# Altium PCB pcb.PcbDoc
Units mm, origin at the board's own origin, x right, y up, seen from the top; angles counter-clockwise.
Board outline 100 x 60 mm, 2 copper layers (Top Layer, Bottom Layer), stack 1.58 mm thick; 56 components, 29 nets, 168 pads, 122 vias.
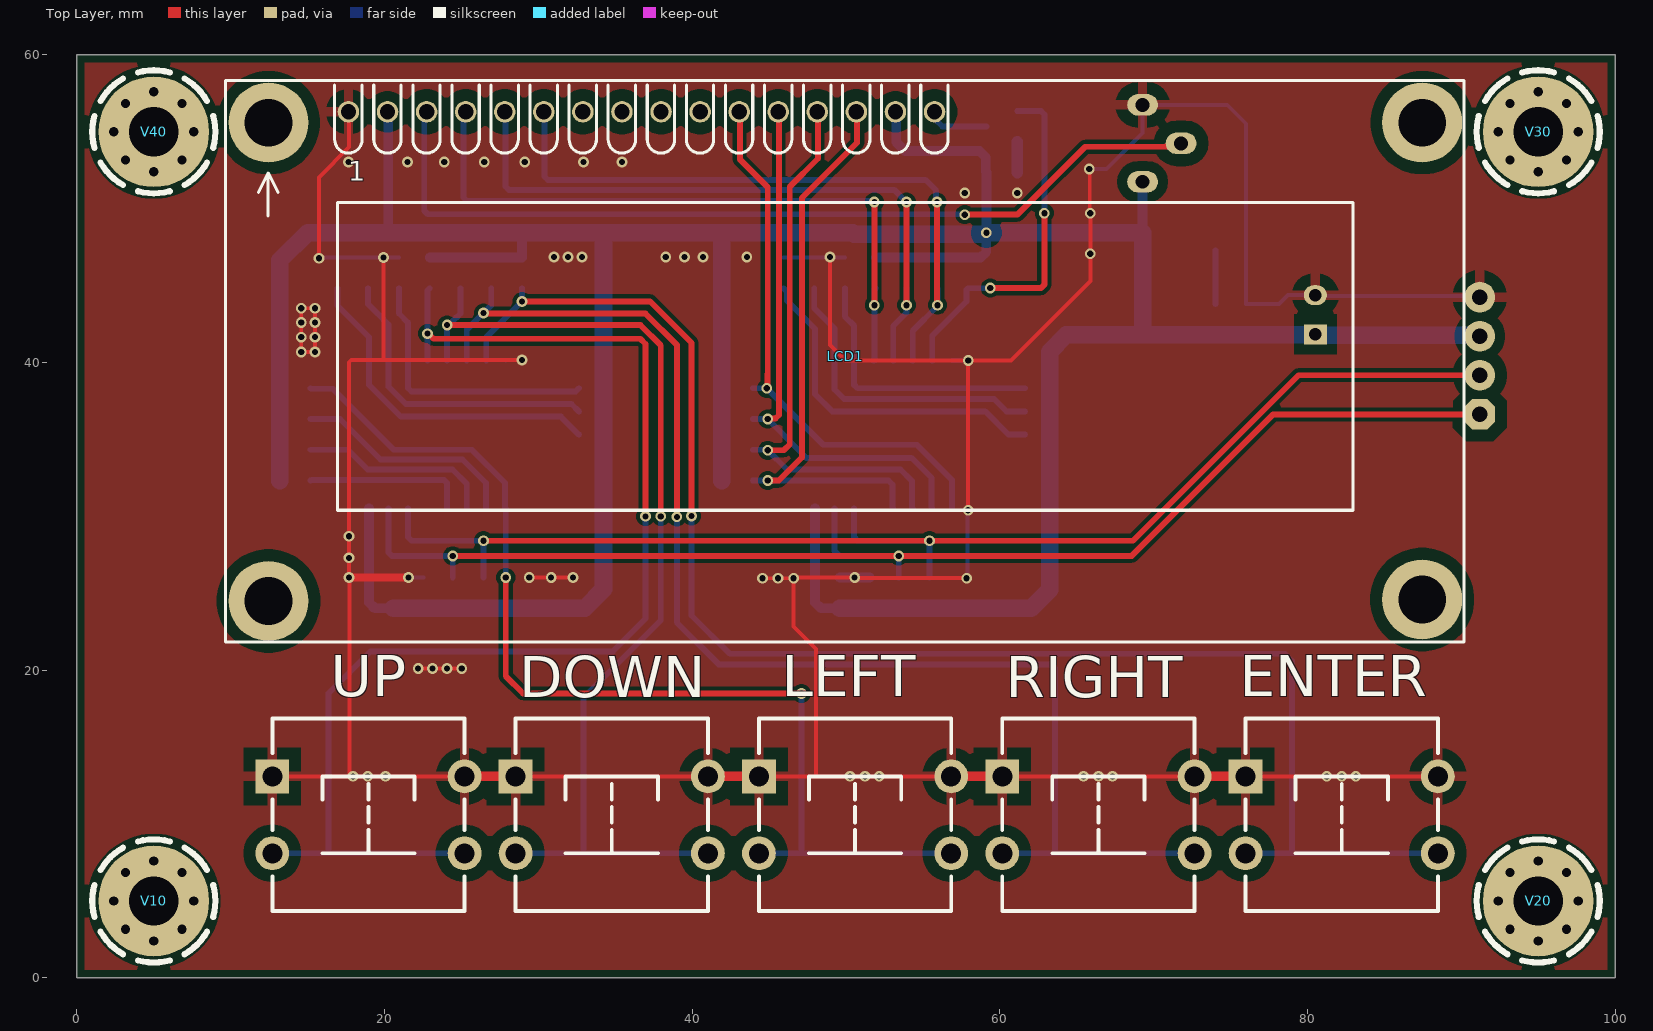
[diagram p0: Top Layer view]
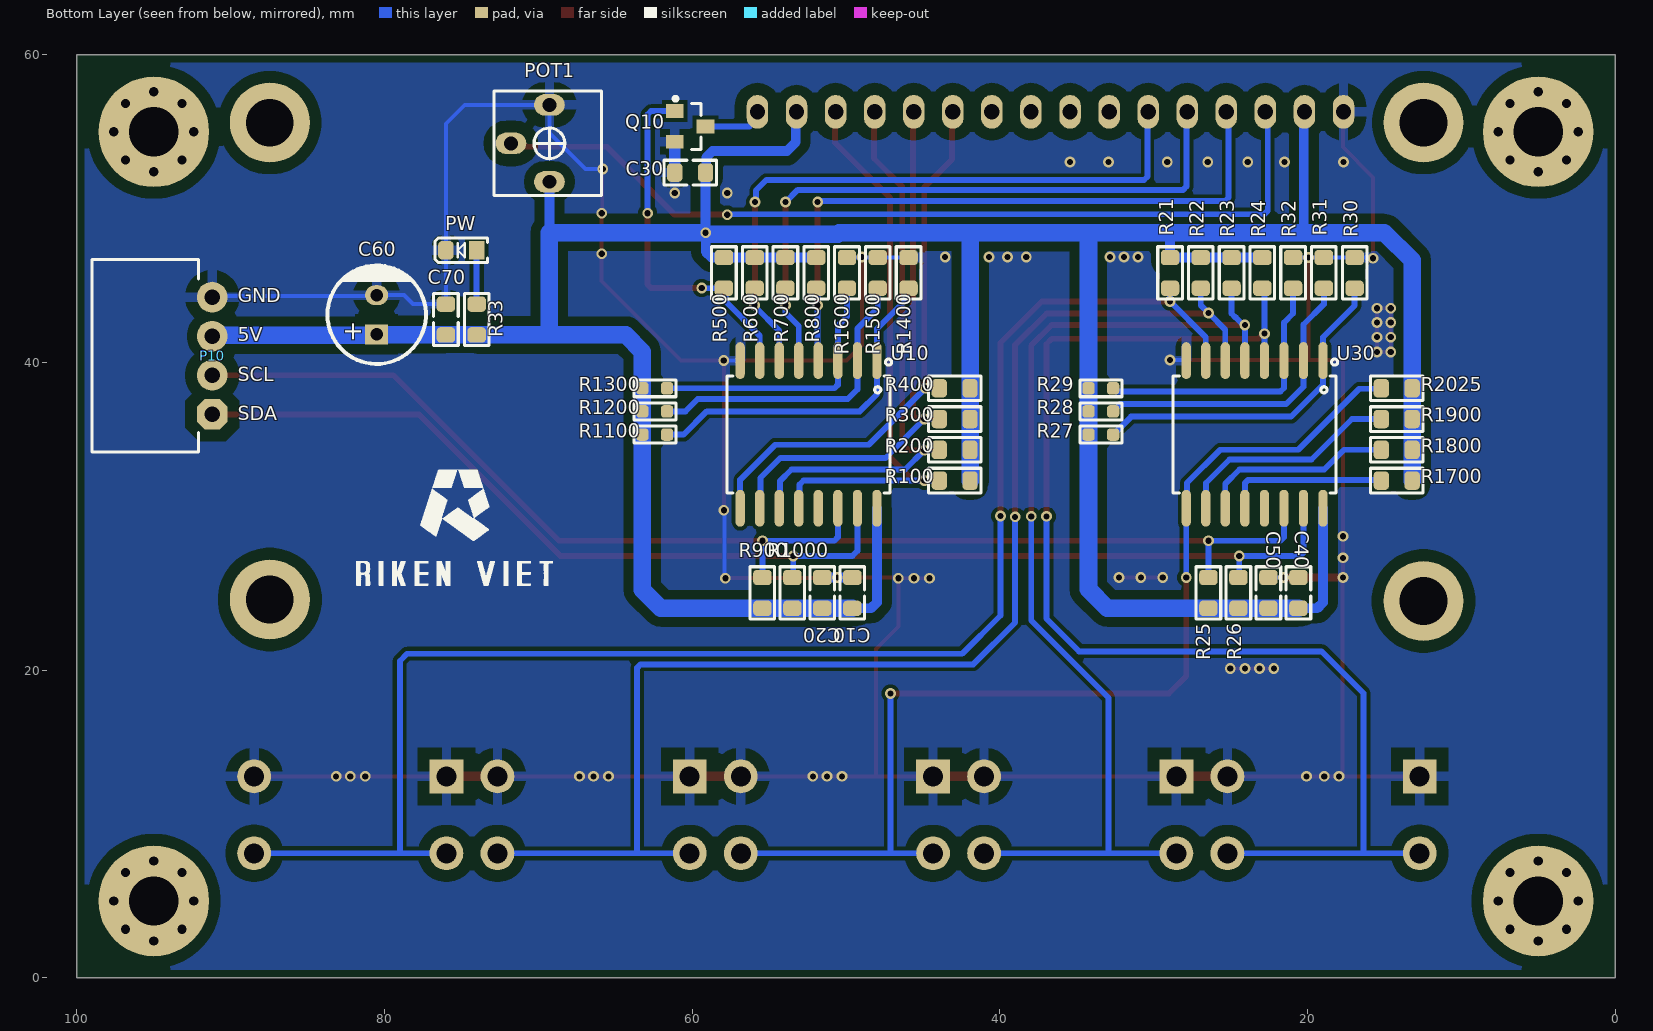
[diagram p1: Bottom Layer view, seen from below]

## Layer stack, top to bottom
Top Solder: solder mask 0.01, Solder Resist, Dk 3.5
Top Layer: signal copper 0.035
Dielectric 1: dielectric 1.51, FR-4, Dk 4.8
Bottom Layer: signal copper 0.035
Bottom Solder: solder mask 0.01, Solder Resist, Dk 3.5

## Board outline
0,0 0,60 100,60 100,0

## Design rules (kind name [scope] priority, off if disabled: settings)
Clearance 5V [InNet('+5')] p1: gap=0.254 ignorepadtopadclearanceinfootprint=TRUE except(0.635: Arc-Poly Track-Poly SMDPad-Poly THPad-Poly Via-Poly Fill-Poly Poly-Poly)
Clearance [All] p2: gap=0.254 ignorepadtopadclearanceinfootprint=TRUE except(0.762: THPad-Poly)
Height [All] p1: minheight=0 maxheight=40 prefheight=12.7
HoleSize [All] p1: absolutevalues=TRUE maxlimit=6 minlimit=0.1 maxpercent=80.000 minpercent=20.000
MinimumSolderMaskSliver [All] p1: minsoldermaskwidth=0.025
PlaneConnect [All] p1: planeconnectstyle=Relief reliefexpansion=0.508 reliefentries=4 reliefconductorwidth=0.889 reliefairgap=0.254
PolygonConnect [All] p1: thpad.connectstyle=Relief thpad.reliefconductorwidth=0.635 thpad.reliefentries=4 thpad.polygonreliefangle="90 Angle" thpad.airgapwidth=0.762 smdpad.connectstyle=Relief smdpad.reliefconductorwidth=0.635 smdpad.reliefentries=4 smdpad.polygonreliefangle="90 Angle" smdpad.airgapwidth=0.381 via.connectstyle=Relief via.reliefconductorwidth=0.635 via.reliefentries=4 via.polygonreliefangle="90 Angle" via.airgapwidth=0.381
RoutingVias [All] p1: holewidth=0.4 width=0.7 viastyle="Through Hole" minholewidth=0.3 minwidth=0.6 maxholewidth=1 maxwidth=2.5
SilkToSilkClearance [All] p1: silktosilkclearance=0.025
SilkToSolderMaskClearance [IsPad] p1: minsilkscreentomaskgap=0 clearancetoexposedcopper=TRUE
SolderMaskExpansion [All] p1: expansion=0.102 istentingtop=FALSE
SupplyNets "Schematic Supply Nets_1" [InNet('GND')] p1: voltage=0.000
SupplyNets "Schematic Supply Nets" [InNet('+5')] p2: voltage=0.000
UnRoutedNet [All] p1: checkbadconnections=TRUE
Width [All] p1: maxlimit=2.54 minlimit=0.254 preferedwidth=0.508
23 further rules are at their usual default settings.

## Components (designator, comment, footprint, x,y, rotation, side; value= is the part's Value field where it differs from the comment)
C10 "10uF/25V" C_0805_SMD 49.589,25.022 r270 bottom
C20 "104" C_0805_SMD 51.538,25.022 r270 bottom
C30 "104" C_0805_SMD 60.132,52.35 r0 bottom
C40 "10uF/25V" C_0805_SMD 20.586,25.026 r270 bottom
C50 "104" C_0805_SMD 22.535,25.026 r270 bottom
C60 "100uF/35V" C_6.3x12 80.513,43.108 r90 bottom
C70 "104" C_0805_SMD 76.01,42.798 r270 bottom
DOWN "SW4" "TSW DIP-12*12*17" 34.773,10.597 r0 top
ENTER "SW4" "TSW DIP-12*12*17" 82.227,10.597 r0 top
LCD1 "LCD 16x2" LCD_16x2 49.956,40.398 r0 top
LEFT "SW4" "TSW DIP-12*12*17" 50.591,10.597 r0 top
P10 "XH2.54 4P" XH2.54_4P_RA 91.204,40.442 r90 bottom
POT1 "POT10K" POT_3362H 69.282,54.25 r90 bottom
PW "LED RED" "LED 0805 Red" 75.01,47.298 r0 bottom
Q10 "S8050" "SOT23_N NXP" 60.132,55.35 r180 bottom
R21 "10K" RES-SMD-0805 28.935,45.826 r270 bottom
R22 "10K" RES-SMD-0805 26.935,45.826 r270 bottom
R23 "10K" RES-SMD-0805 24.935,45.826 r270 bottom
R24 "10K" RES-SMD-0805 22.935,45.826 r270 bottom
R25 "10K" RES-SMD-0805 26.435,25.026 r90 bottom
R26 "10K" RES-SMD-0805 24.485,25.026 r90 bottom
R27 "0R" RES-SMD-0603 33.435,35.314 r0 bottom
R28 "0R" RES-SMD-0603 33.435,36.826 r0 bottom
R29 "0R" RES-SMD-0603 33.435,38.326 r0 bottom
R30 "10K" RES-SMD-0805 16.935,45.826 r90 bottom
R31 "10K" RES-SMD-0805 18.935,45.826 r90 bottom
R32 "10K" RES-SMD-0805 20.935,45.826 r90 bottom
R33 "2.2k" RES-SMD-0805 74.01,42.798 r90 bottom
R100 "10K" RES-SMD-0805 42.935,32.326 r0 bottom
R200 "10K" RES-SMD-0805 42.935,34.326 r0 bottom
R300 "10K" RES-SMD-0805 42.935,36.326 r0 bottom
R400 "10K" RES-SMD-0805 42.935,38.326 r0 bottom
R500 "10K" RES-SMD-0805 57.935,45.826 r270 bottom
R600 "10K" RES-SMD-0805 55.935,45.826 r270 bottom
R700 "10K" RES-SMD-0805 53.935,45.826 r270 bottom
R800 "10K" RES-SMD-0805 51.935,45.826 r270 bottom
R900 "10K" RES-SMD-0805 55.435,25.026 r90 bottom
R1000 "10K" RES-SMD-0805 53.487,25.026 r90 bottom
R1100 "0R" RES-SMD-0603 62.435,35.314 r0 bottom
R1200 "0R" RES-SMD-0603 62.435,36.826 r0 bottom
R1300 "0R" RES-SMD-0603 62.435,38.326 r0 bottom
R1400 "10K" RES-SMD-0805 45.935,45.826 r90 bottom
R1500 "10K" RES-SMD-0805 47.935,45.826 r90 bottom
R1600 "10K" RES-SMD-0805 49.935,45.826 r90 bottom
R1700 "10K" RES-SMD-0805 14.198,32.326 r0 bottom
R1800 "10K" RES-SMD-0805 14.198,34.326 r0 bottom
R1900 "10K" RES-SMD-0805 14.198,36.326 r0 bottom
R2025 "10K" RES-SMD-0805 14.198,38.326 r0 bottom
RIGHT "SW4" "TSW DIP-12*12*17" 66.409,10.597 r0 top
U10 "PCF8574T" SO_16_W 52.435,35.326 r270 bottom
U30 "PCF8574T" SO_16_W 23.435,35.326 r270 bottom
UP "SW4" "TSW DIP-12*12*17" 18.955,10.597 r0 top
V10 "Vit m3" "Screw M3x5 - Via" 5,5 r0 top
V20 "Vit m3" "Screw M3x5 - Via" 95,5 r0 top
V30 "Vit m3" "Screw M3x5 - Via" 95,55 r0 top
V40 "Vit m3" "Screw M3x5 - Via" 5,55 r0 top

## Footprints (in the part's own frame and the unit in brackets; to place one, negate y for a bottom-side part, rotate by r counter-clockwise, add the part's x,y. Pads: shape width x height; smd on the part's side, far side on the other; paste and mask are expansions set on the pad)
C_6.3x12 [mm] "pitch 2.5mm"
  rect 1.3x1.5 hole 0.8: 1(-1.27,0)
  oval 1.3x1.5 hole 0.8: 2(1.27,0)
  silkscreen extent -3.2,-3.2 3.2,3.2, body extent -3.15,-3.15 3.15,3.15, height 12.05
C_0805_SMD [mm]
  rrect50% 1x1.2 smd: 1(-1,0) 2(1,0)
  Top Layer pour cut-out: -0.5,0.8 0.5,0.8 0.5,-0.8 -0.5,-0.8
  silkscreen extent -1.7,-0.8 1.7,0.8, body extent -1,-0.63 1,0.62, height 1
LCD_16x2 [mm]
  round 1.4 / inner round 1.4 / far side oval 1.4x2.2 hole 1: 1(-32.3,15.9) 2(-29.76,15.9) 3(-27.22,15.9) 4(-24.68,15.9) 5(-22.14,15.9) 6(-19.6,15.9) 7(-17.06,15.9) 8(-14.52,15.9) 9(-11.98,15.9) 10(-9.44,15.9) 11(-6.9,15.9) 12(-4.36,15.9) 13(-1.82,15.9) 14(0.72,15.9) 15(3.26,15.9) 16(5.8,15.9)
  round 5.2 hole 3.1: MH1(-37.5,15.2) MH2(-37.5,-15.9) MH3(37.5,-15.8) MH4(37.5,15.2)
  silkscreen extent -40.29,-18.57 40.21,17.93, body extent -40.5,-18.9 40.5,18.2, height 15.6
"LED 0805 Red" [mm]
  rect 1x1.2 smd: 1(-1,0)
  rrect50% 1x1.2 smd: 2(1,0)
  silkscreen extent -1.7,-0.8 1.7,0.8, body extent -1,-0.63 1,0.63, height 0.9
POT_3362H [mm] "POT, TRIM, 6.6X6.8mm 3362H, 3362P, 3362R"
  oval 1.4x2 / inner round 1.2 / far side oval 1.4x2 hole 0.9: 1(-2.5,0) 2(0,2.5) 3(2.5,0)
  silkscreen extent -3.4,-3.4 3.4,3.6, body extent -3.3,-3.3 3.3,3.75, height 4.7
RES-SMD-0603 [mm]
  rrect50% 0.8x0.8 smd: 1(-0.8,0)
  rrect50% 0.8x0.8 smd mask+0.075: 2(0.8,0)
  Top Layer pour cut-out: -0.5,0.48 0.5,0.48 0.5,-0.474 -0.5,-0.474
  silkscreen extent -1.37,-0.55 1.35,0.55, body extent -0.82,-0.4 0.78,0.4, height 0.43
RES-SMD-0805 [mm]
  rrect50% 1x1.2 smd paste-0.1 mask+0.075: 1(-1,0) 2(1,0)
  Top Layer pour cut-out: -0.5,0.697 0.5,0.697 0.5,-0.713 -0.5,-0.713
  silkscreen extent -1.7,-0.8 1.7,0.8, body extent -1.15,-0.67 1.15,0.67, height 0.76
"Screw M3x5 - Via" [mm] "Hole 3.0mm"
  round 7.2 hole 3.2 mask+0.1: 1(0,0)
  Top Layer pour cut-out: 0,-4 -1.531,-3.696 -2.828,-2.828 -3.696,-1.531 -4,0 -4,0 -3.696,1.531 -2.828,2.828 -1.531,3.696 0,4 0,4 1.531,3.696 2.828,2.828 3.696,1.531 4,0 4,0 3.696,-1.531 2.828,-2.828 1.531,-3.696 0,-4
  Bottom Layer pour cut-out: 0,-4 -1.531,-3.696 -2.828,-2.828 -3.696,-1.531 -4,0 -4,0 -3.696,1.531 -2.828,2.828 -1.531,3.696 0,4 0,4 1.531,3.696 2.828,2.828 3.696,1.531 4,0 4,0 3.696,-1.531 2.828,-2.828 1.531,-3.696 0,-4
  silkscreen extent -4,-4 4,4, body extent -3,-3 3,3, height 2.53
SO_16_W [mm] "SOP, SOIC, 7.5mm width, 1.27mm pitch,"
  oval 2.4x0.6 smd: 1(-4.8,4.445) 2(-4.8,3.175) 3(-4.8,1.905) 4(-4.8,0.635) 5(-4.8,-0.635) 6(-4.8,-1.905) 7(-4.8,-3.175) 8(-4.8,-4.445) 9(4.8,-4.445) 10(4.8,-3.175) 11(4.8,-1.905) 12(4.8,-0.635) 13(4.8,0.635) 14(4.8,1.905) 15(4.8,3.175) 16(4.8,4.445)
  silkscreen extent -4.9,-5.3 3.8,5.4, body extent -5.21,-5.25 5.42,5.25, height 1.62
"SOT23_N NXP" [mil] "SOT23, 3-Leads, Body 3x1.4mm, Pitch 0.95mm, IPC Medium Density"
  rect 45x35 smd: 1(-39.37,39.37) 2(-39.37,-39.37) 3(39.37,0)
  silkscreen extent -42,-59 28,76, body extent -50,-59 50,59, height 39
"TSW DIP-12*12*17" [mm] "12*12*17mm"
  rect 2.2x2.2 hole 1.3: 1(-6.25,2.5)
  round 2.2 hole 1.3: 2(-6.25,-2.5) 3(6.25,-2.5) 4(6.25,2.5)
  silkscreen extent -6.25,-6.25 6.25,6.25, body extent -6.9,-6 6.9,6, height 17
XH2.54_4P_RA [mm]
  oct 2x2 hole 1: 1(-3.81,0)
  round 2 hole 1: 2(-1.27,0) 3(1.27,0) 4(3.81,0)
  silkscreen extent -6.25,0.9 6.25,7.8, body extent -6.15,-0.34 6.15,7.7, height 5.84

## Part data
C10 C40: library part "Cap 0805 10uF 25V", "Cap SMD 0805 10uF", Code=1436-100
C20 C30 C50 C70: library part "Cap 0805 104 100nF", "Cap SMD 0805 104-100nF-0.1uF 50V", Code=1438-080
C60: library part "Cap Pol 100uF/35V", "Polarized Capacitor (Axial) 100uF 35V", Code=1402-225
DOWN ENTER LEFT RIGHT UP: library part "SW4 DIP 12x12x17", "Switch button 4 pin 12x12 DIP", Code=N/A
LCD1: library part "LCD16x2 GREEN", Code=8300-012
P10: library part XH2.54_4P_RA, "XH2.54 RA", Code=3509-012
POT1: library part RES_THD_POT_3362H_10K, "RESISTOR, THD, Potentiometer", Code=1116-010, Designed by=TranLuyen
PW: library part "LED 0805 RED", "LED 0805 SMD RED", Code=8600-017, Designed by=TranLuyen
Q10: library part "S8050 SOT-23", "J3Y-NPN SMD Transistor SOT23", Code=1701-070
R21 R22 R23 R24 R25 R26 R30 R31 R32 R100 R200 R300 R400 R500 R600 R700 R800 R900 R1000 R1400 R1500 R1600 R1700 R1800 R1900 R2025: library part "Res 10k 0805", "Resistor SMD 0805", Code=1024-111
R27 R28 R29 R1100 R1200 R1300: library part "Res 0R 0603", "Resistor SMD 0603", Code=1028-001
R33: library part "Res 2.2K 0805", "Resistor SMD 0805", Code=1024-094
U10 U30: "16-SOIC, I2C 400kHz,Output Pull -1mA, Push 25mA, Input Pull_up -30=>-300uA", Code=5007-031
V10 V20 V30 V40: library part "Screw Vit m3", "Screw Vit m3", Code=N/A

## Via types
v1: diameter 0.7, hole 0.4, Top Layer to Bottom Layer, tented both sides, 90 vias
v2: diameter 1.1, hole 0.6, Top Layer to Bottom Layer, 32 vias

## Nets (pads, with @x,y where several pads share a name; then routed paths per layer and width w, separated by ;. In a path a pad name is that pad's centre, name@x,y a point inside that pad or via, vN(x,y) a via of type N, cw(c..) or ccw(c..) an arc to the next point about the centre after c; other vN are vias at no path point)
+5: C10.2 C20.2 C30.1 C40.2 C50.2 C60.1 C70.2 LCD1.2 LCD1.15 P10.3 POT1.1 R21.1 R22.1 R23.1 R24.1 R25.1 R26.1 R27.2 R28.2 R29.2 R33.1 R100.1 R200.1 R300.1 R400.1 R500.1 R600.1 R700.1 R800.1 R900.1 R1000.1 R1100.2 R1200.2 R1300.2 R1700.1 R1800.1 R1900.1 R2025.1 U10.16 U30.16 | length 244.9
  Bottom Layer w0.635: U30.16 18.99,24.398 19.362,24.026 C40.2 ; 20.24,48.444 LCD1.2@20.24,55.9 ; R24.1 R23.1 R22.1 R21.1 28.943,46.834 28.943,48.444 ; U10.16 47.99,24.398 48.362,24.026 49.585,24.026 C10.2 ; R800.1 R700.1 R600.1 R500.1 58.752,46.826 59.124,47.198 v1(59.124,48.436) ; LCD1.15@53.26,55.9 53.26,54.339 53.844,53.755 58.677,53.755 59.092,53.34 59.092,52.39 C30.1 59.132,48.444 v1(59.124,48.436) ; v1@59.116,48.444 v1(59.124,48.436) ; 69.282,48.444 POT1.1 ; R33.1 R33.1@74.03,41.818 ; C60.1@80.493,41.818 C60.1 C60.1@80.576,41.775 ; P10.3@91.141,41.775 P10.3
  Bottom Layer w1.143: R1700.1 R1800.1 R1900.1 R2025.1 13.198,46.644 14.998,48.444 20.24,48.444 28.943,48.444 34.235,48.444 41.935,48.444 ; C40.2 R25.1 33.009,24.026 34.235,25.253 R28.2 R29.2 34.235,48.444 ; R100.1 R200.1 R400.1 41.936,48.444 ; C10.2@49.589,24.026 R900.1 ; R900.1@55.464,24.026 62.035,24.026 63.235,25.226 R1100.2 R1200.2 R1300.2 63.235,40.713 64.321,41.798 69.282,41.798 ; v1@59.116,48.444 59.022,48.35 50.526,48.35 50.431,48.444 41.935,48.444 ; v1@59.132,48.444 69.282,48.444 69.282,41.798 ; R33.1 69.282,41.798 ; R33.1@74.03,41.818 C70.2@76.01,41.818 ; C70.2@76.039,41.818 C60.1@80.493,41.818 ; C60.1@80.576,41.775 P10.3@91.141,41.775
BT: Q10.1 R500.2 U10.7 | length 23.6
  Top Layer w0.381: v1(59.382,44.838) 62.671,44.838 62.894,45.061 v1(62.894,49.708)
  Bottom Layer w0.381: U10.7 55.61,41.75 57.838,43.978 57.838,44.728 R500.2 59.37,44.826 v1(59.382,44.838) ; Q10.1 62.671,56.35 62.894,56.127 v1(62.894,49.708)
D4: LCD1.11 R400.2 U10.9 | length 35.6
  Top Layer w0.381: LCD1.11@43.1,55.9 43.1,53.211 44.909,51.402 44.909,39.24 44.907,39.238 44.907,38.387 v1(44.845,38.326)
  Bottom Layer w0.381: R400.2 v1(44.845,38.326) 48.52,34.652 54.609,34.652 56.88,32.38 U10.9
D5: LCD1.12 R300.2 U10.10 | length 35.5
  Top Layer w0.381: v1(44.909,36.324) 44.956,36.371 45.417,36.371 45.64,36.595 LCD1.12@45.64,55.9
  Bottom Layer w0.381: R300.2 R300.2 v1@45.093,36.324 ; v1(44.909,36.324) 47.434,33.799 54.266,33.799 55.569,32.497 55.569,30.568 U10.10
D6: LCD1.13 R200.2 U10.11 | length 36.5
  Top Layer w0.381: v1(44.909,34.295) 45.959,34.295 46.34,34.676 46.34,51.426 48.18,53.266 LCD1.13@48.18,55.9
  Bottom Layer w0.381: R200.2 v1@44.909,34.326 ; v1(44.909,34.295) 46.164,33.039 53.541,33.039 54.299,32.282 54.299,30.568 U10.11
D7: LCD1.14 R100.2 U10.12 | length 37.2
  Top Layer w0.381: v1(44.909,32.326) 45.627,32.326 47.129,33.829 47.129,50.699 50.72,54.29 LCD1.14@50.72,55.9
  Bottom Layer w0.381: R100.2 v1(44.909,32.326) 52.762,32.326 53.029,32.06 53.029,30.568 U10.12
DOWN: DOWN.2 DOWN.3 R23.2 U30.5 | length 67.2
  Top Layer w0.381: v1(24.07,42.432) 36.642,42.432 37.959,41.116 v1(37.959,30)
  Bottom Layer w0.381: U30.5 v1(24.07,42.432) 24.157,42.432 24.645,42.92 24.666,42.92 24.935,43.19 R23.2 ; DOWN.2 32.935,8.097 ; v1(37.959,30) 37.959,23.226 32.935,18.203 32.935,8.097 ; DOWN.3 32.935,8.097
ENTER: ENTER.2 ENTER.3 R21.2 U30.7 | length 100.8
  Top Layer w0.381: v1(28.935,43.975) 37.263,43.975 39.956,41.281 v1(39.956,30.015)
  Bottom Layer w0.381: U30.7 26.61,41.65 v1(28.935,43.975) R21.2 ; v1(39.956,30.015) 39.956,23.559 42.452,21.064 78.533,21.064 79.001,20.597 79.001,8.097 ; ENTER.2 79.001,8.097 ; ENTER.3 79.001,8.097
GND: C10.1 C20.1 C30.2 C40.1 C50.1 C60.2 C70.1 DOWN.1 DOWN.4 ENTER.1 ENTER.4 LCD1.1 LEFT.1 LEFT.4 P10.4 POT1.3 PW.2 Q10.2 R30.2 R31.2 R32.2 R1400.2 R1500.2 R1600.2 RIGHT.1 RIGHT.4 U10.8 U30.8 UP.1 UP.4 | length 279.2
  Top Layer w0.254: UP.1 v1@17.772,13.097 ; v1@15.736,46.78 15.736,52.041 17.7,54.005 LCD1.1@17.7,55.9 ; v1(19.936,46.826) 19.936,40.168 ; v1(22.186,20.115) v1(25.022,20.115) ; UP.4 20.059,13.097 v1(18.915,13.097) v1@17.772,13.097 ; DOWN.1 34.588,13.097 35.691,13.097 36.629,13.097 DOWN.4 ; v1(28.935,40.168) 19.936,40.168 ; v1(29.405,26.026) v1(32.258,26.026) ; LEFT.1 48.04,13.097 ; v1(44.567,25.979) v1(46.596,25.979) ; 46.585,23.986 46.585,22.83 48.04,21.376 48.04,13.097 ; 46.596,23.986 v1(46.596,25.979) ; v1(48.955,46.855) 48.955,41.127 49.956,40.126 v1(57.943,40.126) ; LEFT.4 v1(52.156,13.097) v1(51.238,13.097) v1(50.263,13.097) 48.04,13.097 ; v1(57.843,25.979) 57.822,26 50.585,26 v1(50.564,26.022) 46.639,26.022 v1(46.596,25.979) ; v1@57.943,30.398 v1(57.943,40.126) ; RIGHT.1 RIGHT.4 ; v1@65.882,52.6 65.848,52.565 65.848,49.742 v1(65.882,49.708) v1(65.882,47.076) 65.882,45.292 60.716,40.126 v1(57.943,40.126) ; ENTER.1 ENTER.4 ; v1@17.772,13.097 17.729,13.14 17.729,25.983 v1(17.685,26.026) v1(17.685,27.303) v1(17.685,28.71) 17.685,40.019 17.834,40.168 19.936,40.168 ; v1(14.585,40.693) v1(15.485,40.693) v1(15.485,41.65) v1(15.485,42.595) v1(15.485,43.529) v1(14.585,43.529) v1(14.585,42.595) v1(14.585,41.65) v1(14.585,40.693)
  Top Layer w0.508: v1(17.685,26.026) v1(21.561,26.026)
  Top Layer w0.635: UP.4 DOWN.1 ; DOWN.4 LEFT.1 ; LEFT.4 RIGHT.1 ; RIGHT.4 ENTER.1
  Bottom Layer w0.254: v1@15.698,46.826 R30.2 R31.2 v1(19.936,46.826) R32.2 ; C40.1 v1(21.561,26.026) C50.1 ; U30.8 27.922,40.168 v1(28.935,40.168) ; R1400.2 R1500.2 R1600.2 ; U10.8 v1(57.943,40.126) ; v1(57.843,25.979) 57.892,26.028 57.892,30.349 v1(57.941,30.398) ; v1(65.813,52.587) 66.942,52.587 69.282,54.927 POT1.3 74.782,56.75 76.01,55.522 PW.2 C70.1 78.15,43.798 78.73,44.378 C60.2 80.576,44.315 91.141,44.315 P10.4
  Bottom Layer w0.635: C10.1 v1(50.564,26.022) C20.1
  Bottom Layer w0.762: C30.2 Q10.2
  other v1: 17.953,13.097 18.91,13.097 20.059,13.097 65.434,13.097 66.409,13.097 67.327,13.097 81.252,13.097 82.227,13.097 83.145,13.097 23.12,20.115 24.065,20.115 45.586,25.979 30.831,26.026 15.735,46.78 31.023,46.859 31.929,46.859 32.835,46.859 38.279,46.855 39.504,46.855 40.708,46.855 43.553,46.855 57.723,51.013 61.132,51.013 17.656,53.034 21.486,53.034 23.879,53.034 26.485,53.034 29.113,53.034 32.935,53.034 35.436,53.034
LCD_E: LCD1.6 R600.2 U10.6 | length 42.5
  Top Layer w0.381: v1(55.91,50.433) 55.927,50.417 55.927,43.743 v1(55.943,43.727)
  Bottom Layer w0.381: LCD1.6@30.4,55.9 30.4,52.086 30.623,51.863 55.178,51.863 55.849,51.191 55.849,50.494 v1(55.91,50.433) ; U10.6 54.34,42.074 55.943,43.677 55.943,44.818 R600.2
LCD_RS: LCD1.4 R800.2 U10.4 | length 43.6
  Top Layer w0.381: v1(51.842,43.727) v1(51.842,50.433)
  Bottom Layer w0.381: LCD1.4@25.32,55.9 25.128,55.708 25.128,50.72 25.351,50.497 51.553,50.497 51.556,50.494 51.781,50.494 v1(51.842,50.433) ; U10.4 51.842,40.168 v1(51.842,43.727) 51.842,44.733 R800.2
LCD_RW: LCD1.5 R700.2 U10.5 | length 42.7
  Top Layer w0.381: v1(53.925,50.433) 53.935,50.423 v1(53.935,43.727)
  Bottom Layer w0.381: LCD1.5@27.86,55.9 27.86,51.451 28.083,51.228 53.131,51.228 v1(53.925,50.433) ; U10.5 53.07,42.374 53.935,43.239 v1(53.935,43.727) R700.2
LEFT: LEFT.2 LEFT.3 R2025.2 U30.9 | length 70.3
  Top Layer w0.381: v1(27.88,26.026) 27.88,19.612 29.009,18.483 v1(47.108,18.483)
  Bottom Layer w0.381: R2025.2 15.23,38.295 16.632,38.295 20.592,34.334 25.667,34.334 27.839,32.162 27.839,30.568 U30.9 v1(27.88,26.026) ; LEFT.2 47.108,8.097 ; v1(47.108,18.483) 47.108,8.097 ; LEFT.3 47.108,8.097
NetLCD1_3: LCD1.3 POT1.2 | length 57.3
  Top Layer w0.381: v1(57.723,49.612) 61.133,49.612 65.549,54.028 70.75,54.028 70.777,54.055 71.587,54.055 POT1.2
  Bottom Layer w0.381: LCD1.3@22.78,55.9 22.585,55.705 22.585,54.767 22.585,49.862 22.808,49.639 57.696,49.639 v1(57.723,49.612)
NetLCD1_16: LCD1.16 Q10.3 | length 3.6
  Bottom Layer w0.381: LCD1.16@55.8,55.9 55.8,55.821 56.271,55.35 Q10.3
NetPW_1: PW.1 R33.2 | length 3.5
  Bottom Layer w0.381: R33.2 PW.1
NetR27_1: R27.1 R30.1 U30.1 | length 22.1
  Bottom Layer w0.381: R30.1 16.936,43.702 18.99,41.647 U30.1 18.99,38.559 21.065,36.485 31.465,36.485 R27.1
NetR28_1: R28.1 R31.1 U30.2 | length 20
  Bottom Layer w0.381: R31.1 18.936,43.793 20.26,42.468 U30.2 20.26,38.425 21.386,37.3 32.161,37.3 R28.1
NetR29_1: R29.1 R32.1 U30.3 | length 18
  Bottom Layer w0.381: R32.1 20.936,43.19 21.53,42.595 U30.3 21.53,38.349 21.754,38.126 32.435,38.126 R29.1
NetR1100_1: R1100.1 R1400.1 U10.1 | length 22.5
  Bottom Layer w0.381: R1400.1 46.148,44.613 46.148,44.039 47.99,42.197 U10.1 47.99,37.945 49.109,36.826 59.047,36.826 60.559,35.314 R1100.1
NetR1200_1: R1200.1 R1500.1 U10.2 | length 20.1
  Bottom Layer w0.381: R1500.1 47.936,43.522 49.26,42.197 U10.2 49.26,38.251 49.883,37.629 59.638,37.629 60.44,36.826 R1200.1
NetR1300_1: R1300.1 R1600.1 U10.3 | length 17.7
  Bottom Layer w0.381: R1600.1 49.936,42.981 50.53,42.386 U10.3 50.53,38.549 50.754,38.326 R1300.1
NetR1700_2: R1700.2 U30.12 | length 10.6
  Bottom Layer w0.381: R1700.2 15.243,32.371 23.847,32.371 24.07,32.148 U30.12
NetR1800_2: R1800.2 U30.11 | length 12.7
  Bottom Layer w0.381: R1800.2 17.623,34.326 18.91,33.039 24.422,33.039 25.34,32.121 U30.11
NetR1900_2: R1900.2 U30.10 | length 14.8
  Bottom Layer w0.381: R1900.2 17.107,36.326 19.734,33.699 25.062,33.699 26.595,32.166 26.595,30.541 U30.10
RIGHT: R22.2 RIGHT.2 RIGHT.3 U30.6 | length 87.2
  Top Layer w0.381: v1(26.436,43.227) 26.482,43.18 36.972,43.18 39.004,41.148 v1(39.004,29.967)
  Bottom Layer w0.381: U30.6 25.34,42.132 v1(26.436,43.227) 26.935,43.727 R22.2 ; v1(39.004,29.967) 39.004,23.103 41.73,20.376 63.354,20.376 63.577,20.153 63.577,8.097 ; RIGHT.2 63.577,8.097 ; RIGHT.3 63.577,8.097
SCL: P10.2 R25.2 R900.2 U10.14 U30.14 | length 87.8
  Top Layer w0.381: v1(26.436,28.417) v1(55.435,28.417) 68.66,28.417 79.415,39.172 P10.2
  Bottom Layer w0.381: U30.14 21.53,28.64 21.754,28.417 v1(26.436,28.417) R25.2 ; U10.14 50.53,28.64 50.754,28.417 v1(55.435,28.417) R900.2
SDA: P10.1 R26.2 R1000.2 U10.15 U30.15 | length 87.6
  Top Layer w0.381: v1(24.436,27.431) v1(53.428,27.431) 68.572,27.431 77.773,36.632 P10.1
  Bottom Layer w0.381: U30.15 20.26,27.643 20.473,27.431 v1(24.436,27.431) R26.2@24.436,26.026 ; U10.15 49.26,27.749 49.579,27.431 v1(53.428,27.431) R1000.2@53.428,26.026
UP: R24.2 U30.4 UP.2 UP.3 | length 82.6
  Top Layer w0.381: v1(22.8,41.877) 22.855,41.877 23.183,41.549 36.627,41.549 36.972,41.205 v1(36.972,30)
  Bottom Layer w0.381: UP.2 16.356,8.097 ; U30.4 v1(22.8,41.877) 22.8,44.691 R24.2 ; UP.3 16.356,8.097 ; v1(36.972,30) 36.972,23.35 34.841,21.219 19.078,21.219 16.356,18.497 16.356,8.097
pads on no net: LCD1.7 LCD1.8 LCD1.9 LCD1.10 LCD1.MH1 LCD1.MH2 LCD1.MH3 LCD1.MH4 U10.13 U30.13 V10.1 V20.1 V30.1 V40.1
copper on no net:
  other v2: 5,2.4 95,2.4 3.162,3.162 6.838,3.162 93.162,3.162 96.838,3.162 2.4,5 7.6,5 92.4,5 97.6,5 3.162,6.838 6.838,6.838 93.162,6.838 96.838,6.838 5,7.6 95,7.6 5,52.4 95,52.4 3.162,53.162 6.838,53.162 93.162,53.162 96.838,53.162 2.4,55 7.6,55 92.4,55 97.6,55 3.162,56.838 6.838,56.838 93.162,56.838 96.838,56.838 5,57.6 95,57.6

## Polygon pours and split planes (outlines as drawn)
GND on Bottom Layer "GND_L02_P001" (solid, remove dead copper, pour order 1): 0.082,59.993 100.082,59.993 100.082,-0.007 0.082,-0.007
GND on Top Layer "GND_L01_P000" (solid, pour order 0): 0,60 100,60 100,0 0,0

## Silkscreen, mask and mechanical layers (free items; w line width, h text height)
Bottom Overlay:
  drawing of 10 lines, arcs and shapes, not listed
  text "GND" at 89.54,43.636 h1.52
  text "5V" at 89.54,41.106 h1.52
  text "SCL" at 89.54,38.493 h1.52
  text "SDA" at 89.54,35.953 h1.52
Mechanical 2:
  the board outline again, w0.15

## Text inside footprints (layer, text, board x,y; h text height)
C60: Bottom Overlay "+" at 81.529,41.33 h1.2 r270; Mechanical 15 "+" at 81.529,41.33 h1.2 r270
LCD1: Top Overlay "1" at 17.648,51.831 h1.27